# Allegro board MB1219_REVB_160112.brd
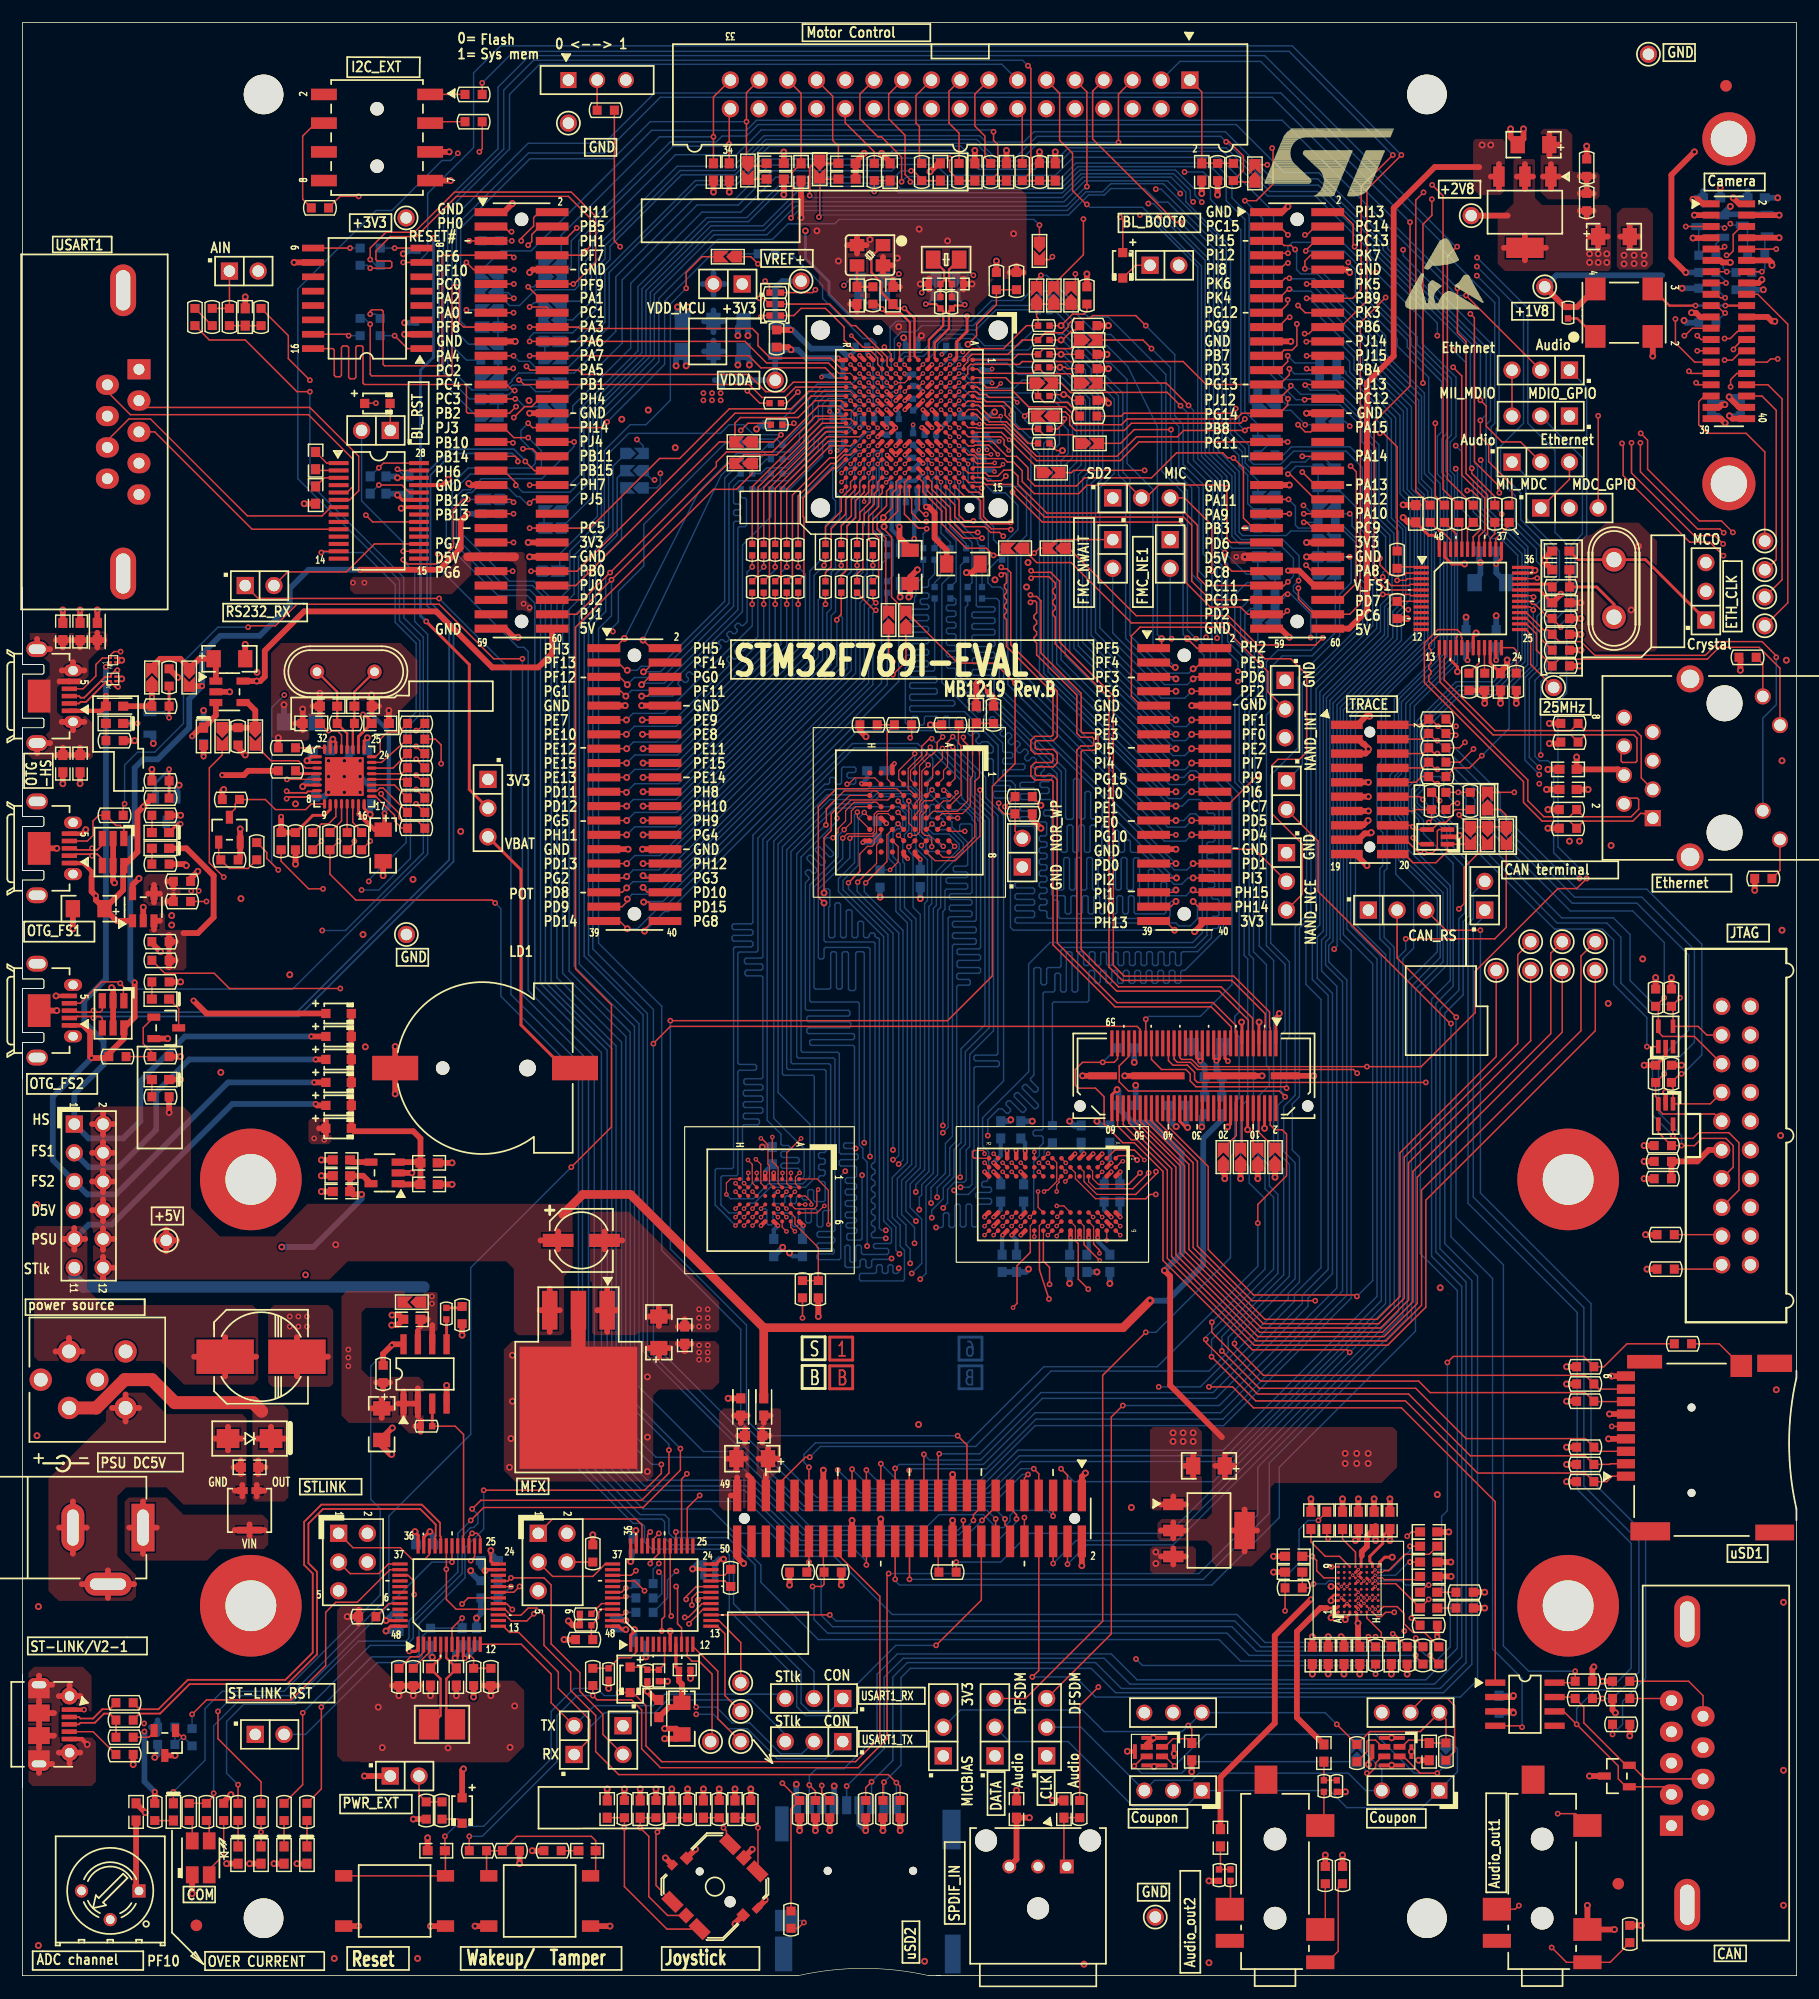
[diagram p0: board, top side]
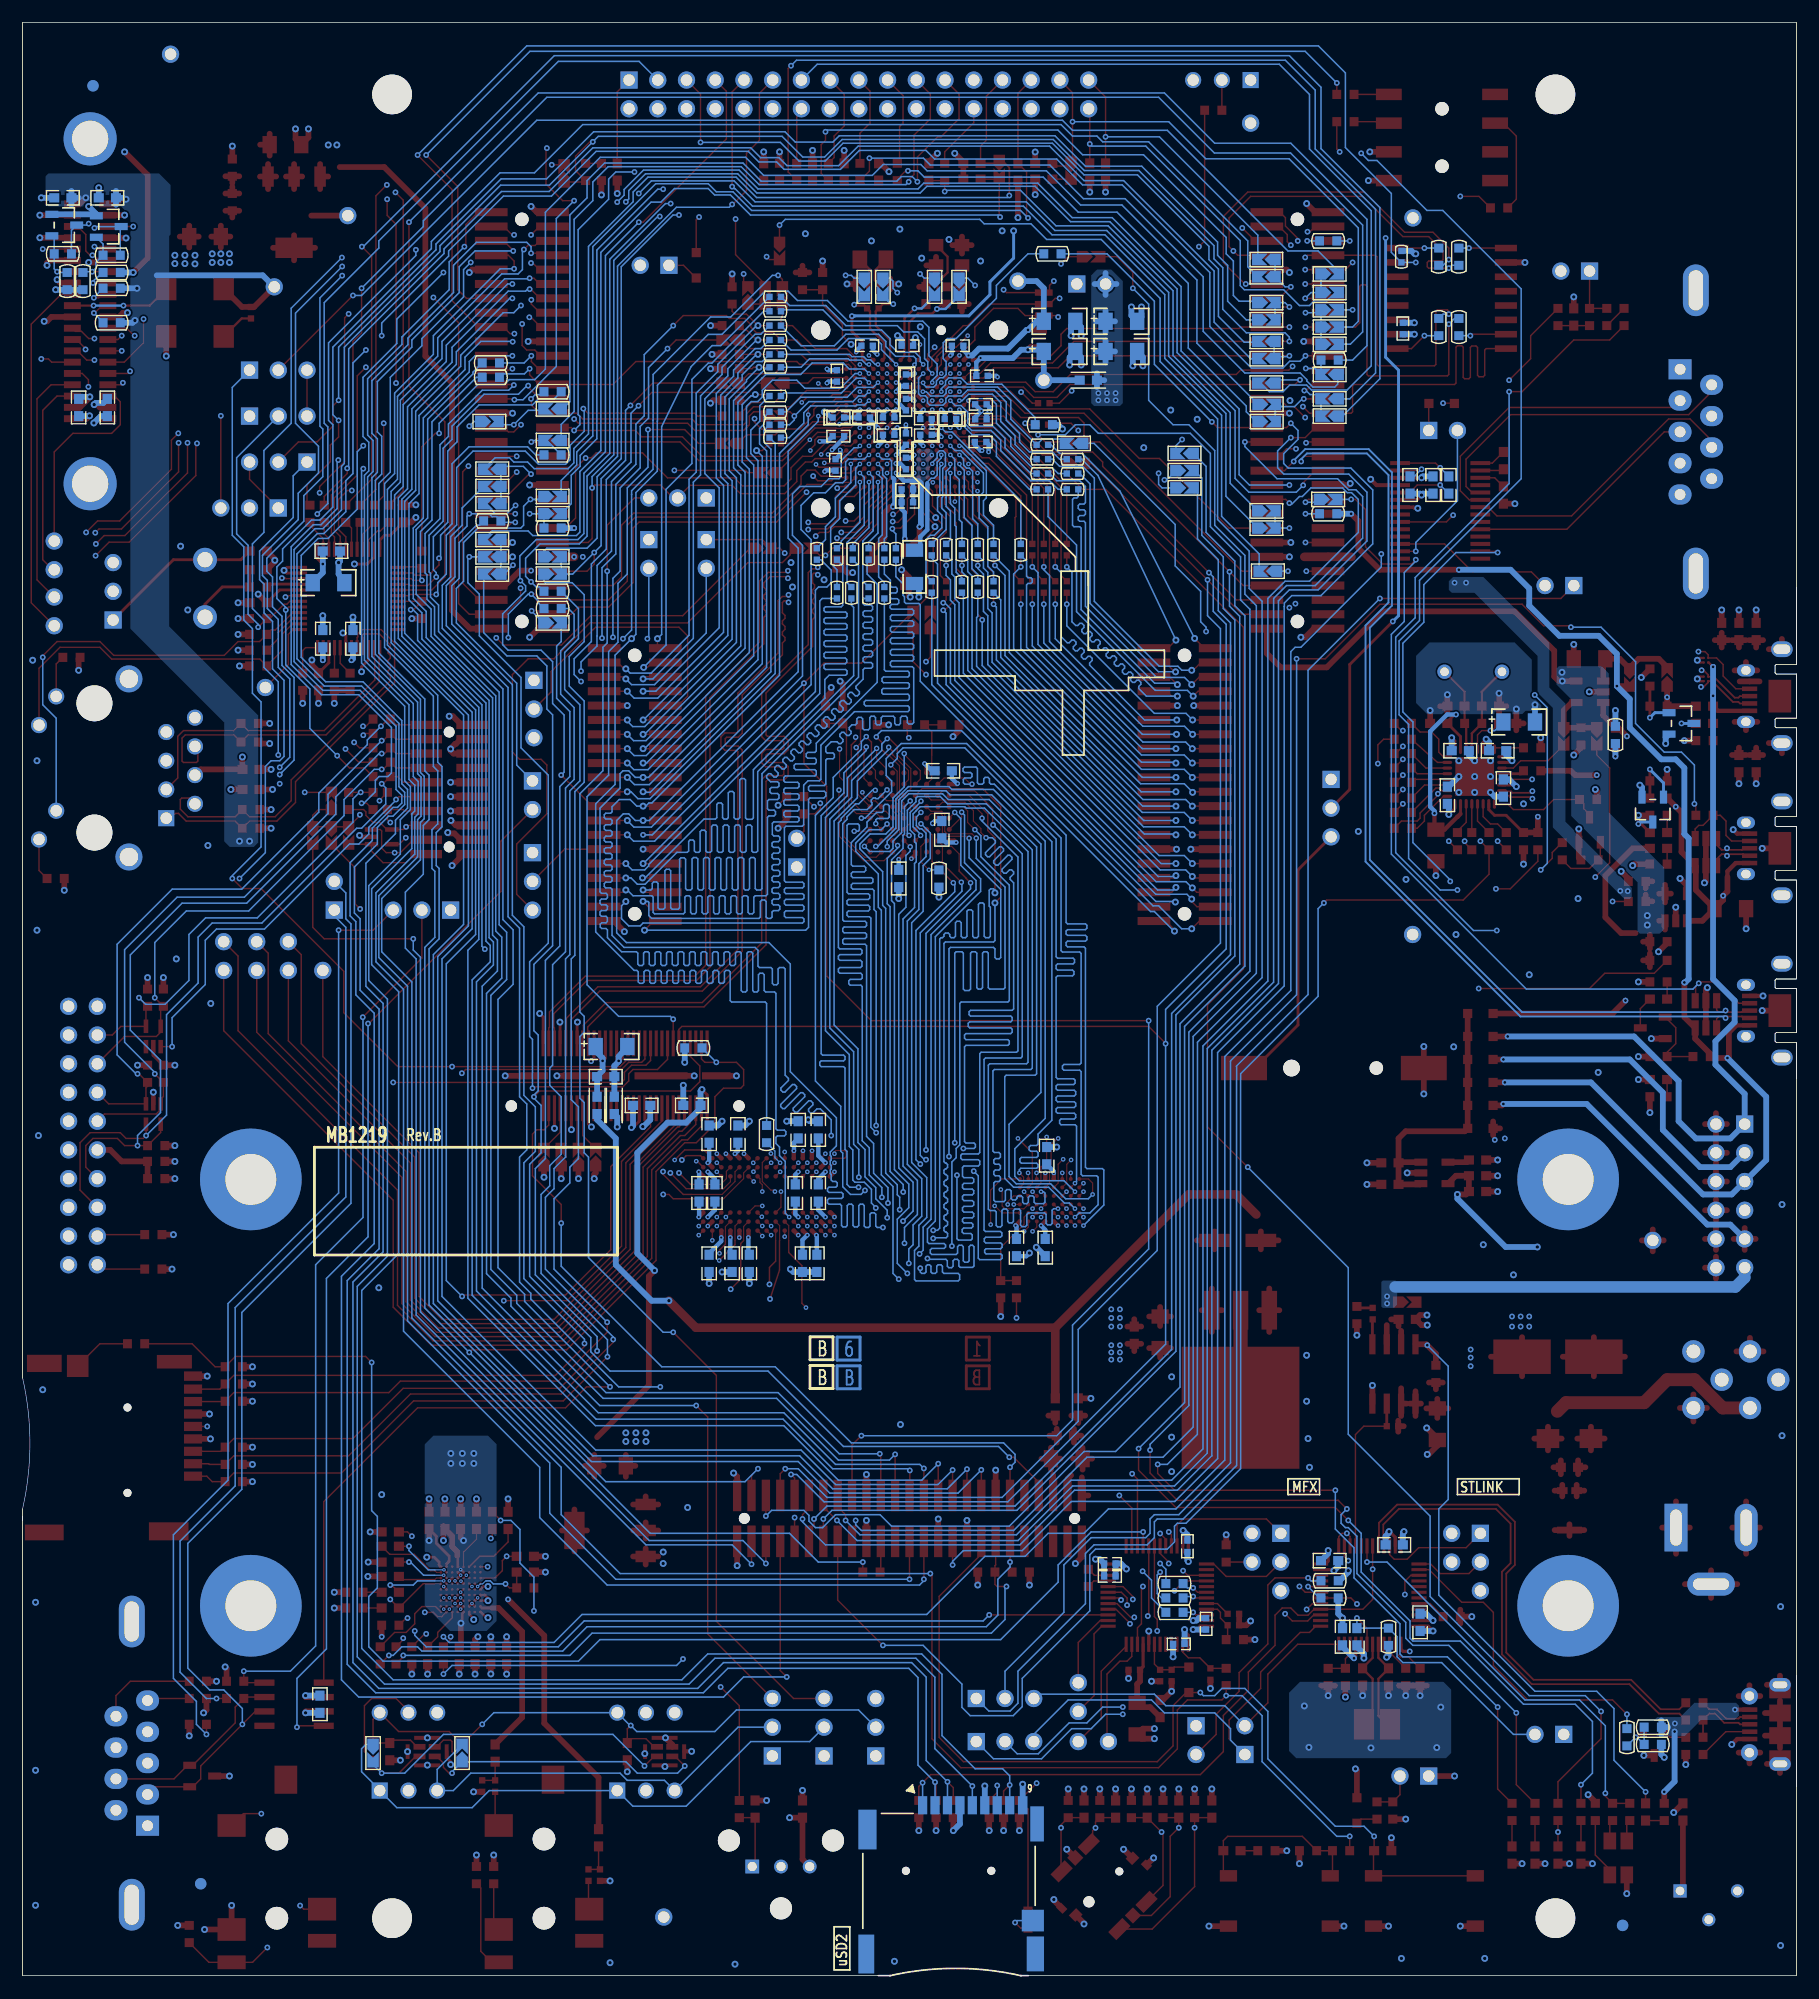
[diagram p1: board, bottom side, seen from below]

Outline 156.84 x 172.72 mm; copper layers: TOP, L2_GND, L3_VCC, L4_SIG, L5_GND, BOTTOM. Coordinates in mm from the lower left corner of the outline.
Outline path: 0,172.72 0,115.96 ; 0,172.72 156.84,172.72 ; 0,172.72 0,115.96 ; 0,172.72 156.84,172.72 ; 0,115.96 1.79,115.96 ; 0,115.96 1.79,115.96 ; 156.84,172.72 156.84,52.86 ; 156.84,172.72 156.84,52.86 ; 1.79,115.96 1.89,115.86 ; 1.79,115.96 1.89,115.86 ; 0,115.14 0,111.25 ; 0,115.11 0,111.21 ; 0,115.11 1.79,115.11 ; 0,115.11 0,111.21 ; 0,115.11 1.79,115.11 ; 0,111.21 1.79,111.21 ; 0,111.21 1.79,111.21 ; 1.79,115.11 1.89,115.21 ; 1.79,115.11 1.89,115.21 ; 1.79,111.21 1.89,111.11 ; 1.79,111.21 1.89,111.11 ; 0,110.36 0,102.87 ; 0,110.36 0,107.19 ; 0,110.36 1.79,110.36 ; 0,110.36 0,107.19 ; 0,110.36 1.79,110.36 ; 0,107.19 0,109.35 ; 0,107.19 0,109.35 ; 1.79,110.36 1.89,110.46 ; 1.79,110.36 1.89,110.46 ; 0,109.35 0,102.5 ; 0,109.35 0,102.5 ; 0,102.5 1.79,102.5 ; 0,102.5 1.79,102.5 ; 1.79,102.5 1.89,102.4 ; 1.79,102.5 1.89,102.4 ; 0,101.64 0,97.75 ; 0,101.64 1.79,101.64 ; 0,101.64 0,97.75 ; 0,101.64 1.79,101.64 ; 0,97.75 1.79,97.75 ; 0,97.75 1.79,97.75 ; 1.79,101.64 1.89,101.75 ; 1.79,101.64 1.89,101.75 ; 1.79,97.75 1.89,97.64 ; 1.79,97.75 1.89,97.64 ; 0,96.89 0,93.73 ; 0,96.89 1.79,96.89 ; 0,96.89 0,93.73 ; 0,96.89 1.79,96.89 ; 0,93.73 0,95 ; 0,93.73 0,95 ; 1.79,96.89 1.89,96.99 ; 1.79,96.89 1.89,96.99 ; 0,95 0,88.14 ; 0,95 0,88.14 ; 0,88.14 1.79,88.14 ; 0,88.14 1.79,88.14 ; 1.79,88.14 1.89,88.04 ; 1.79,88.14 1.89,88.04 ; 0,87.29 0,83.39 ; 0,87.29 1.79,87.29 ; 0,87.29 0,83.39 ; 0,87.29 1.79,87.29 ; 0,83.39 1.79,83.39 ; 0,83.39 1.79,83.39 ; 1.79,87.29 1.89,87.39 ; 1.79,87.29 1.89,87.39 ; 1.79,83.39 1.89,83.29 ; 1.79,83.39 1.89,83.29 ; 0,82.54 0,79.38 ; 0,82.54 1.79,82.54 ; 0,82.54 0,79.38 ; 0,82.54 1.79,82.54 ; 0,79.38 0,81.53 ; 0,79.38 0,81.53 ; 1.79,82.54 1.89,82.64 ; 1.79,82.54 1.89,82.64 ; 0,81.53 0,0 ; 0,81.53 0,0 ; 0,0 67.94,0 ; 0,0 67.94,0 ; 67.94,0 68.58,0 ; 67.94,0 68.58,0 ; 1.89,115.86 1.89,115.21 ; 1.89,115.86 1.89,115.21 ; 1.89,111.11 1.89,110.46 ; 1.89,111.11 1.89,110.46 ; 1.89,102.4 1.89,101.75 ; 1.89,102.4 1.89,101.75 ; 1.89,97.64 1.89,96.99 ; 1.89,97.64 1.89,96.99 ; 1.89,88.04 1.89,87.39 ; 1.89,88.04 1.89,87.39 ; 1.89,83.29 1.89,82.64 ; 1.89,83.29 1.89,82.64 ; 68.58,0 arc(74.36,0.64) 80.14,0 ; 80.14,0 81.15,0 ; 80.14,0 81.15,0 ; 81.15,0 80.77,0 ; 80.77,0 156.84,0 ; 80.77,0 156.84,0 ; 156.84,0 156.84,40.59 ; 156.84,0 156.84,40.59 ; 156.84,52.86 arc(156.2,47.08) 156.84,41.3 ; 156.84,41.3 156.84,40.28 ; 156.84,41.3 156.84,40.28 ; 156.84,40.28 156.84,40.59 ; 156.84,40.28 156.84,40.59

## Design rules (mm)
net group A0: nets A0 NETR247_1
net group A1: nets A1 NETR244_1
net group A2: nets A2 NETR243_1
net group A3: nets A3 NETR240_1
net group A4: nets A4 NETR238_1
net group A5: nets A5 NETR237_1
net group A6: nets A6 NETR259_1
net group A7: nets A7 NETR257_1
net group A8: nets A8 NETR260_1
net group A9: nets A9 NETR271_1
net group A10: nets A10 NETR262_1
net group A11: nets A11 NETR261_1
net group A12: nets A12 NETR279_1
net group A13: nets A13 NETR267_1
net group A14: nets A14 NETR280_1
net group A15: nets A15 NETR269_1
net group A16: nets A16 NETR270_2
net group A17: nets A17 NETR281_1
net group A18: nets A18 NETR268_1
net group A19: nets A19 NETR37_1
net group A20: nets A20 NETR35_1
net group A21: nets A21 NETR31_1
net group A22: nets A22 NETR34_1
net group BOOT0: nets BOOT0 NETR4_2
net group CEC: nets CEC PB6
net group D0: nets D0 NETR278_1
net group D1: nets D1 NETR266_1
net group D2: nets D2 NETR272_1
net group D3: nets D3 NETR283_1
net group D4: nets D4 NETR62_1
net group D5: nets D5 NETR54_1
net group D6: nets D6 NETR53_1
net group D7: nets D7 NETR63_1
net group D8: nets D8 NETR55_1
net group D9: nets D9 NETR64_1
net group D10: nets D10 NETR66_1
net group D11: nets D11 NETR56_1
net group D12: nets D12 NETR65_1
net group D13: nets D13 NETR60_1
net group D14: nets D14 NETR69_1
net group D15: nets D15 NETR70_1
net group D16: nets D16 NETR57_2
net group D17: nets D17 NETR58_2
net group D18: nets D18 NETR67_2
net group D19: nets D19 NETR68_2
net group D20: nets D20 NETR59_2
net group D21: nets D21 NETR276_2
net group D22: nets D22 NETR286_2
net group D23: nets D23 NETR285_2
net group D24: nets D24 NETR275_2
net group D25: nets D25 NETR274_2
net group D26: nets D26 NETR273_2
net group D27: nets D27 NETR284_2
net group D28: nets D28 NETR254_2
net group D29: nets D29 NETR250_2
net group D30: nets D30 NETR251_2
net group D31: nets D31 NETR252_2
net group DIFFPAIR1: nets NETCN9_2 NETCN9_3
net group DSI_CK: nets DSI_CK_N DSI_CK_P
net group DSI_D0: nets DSI_D0_N DSI_D0_P
net group DSI_D1: nets DSI_D1_N DSI_D1_P
net group LCD_G2: nets LCD_G2 NETC16_2
net group LCD_G3: nets LCD_G3 NETCN17_8
net group LCD_G6: nets LCD_G6 NETR122_1
net group NETC11_1: nets NETC11_1 NETCN1_26
net group NETC12_2: nets NETC12_2 NETCN1_19
net group NETC13_2: nets NETC13_2 NETCN1_17
net group NETC14_2: nets NETC14_2 NETCN1_15
net group NETC15_1: nets NETC15_1 NETCN1_14
net group NETC20_1: nets NETC20_1 PC15
net group NETC21_1: nets NETC21_1 PC14
net group NETC22_1: nets NETC22_1 PH1
net group NETC25_1: nets NETC25_1 NETC25_2
net group NETC31_2: nets NETC31_2 NETR71_1
net group NETC37_1: nets NETC37_1 NETC38_1
net group NETC70_1: nets NETC70_1 NETC70_2
net group NETC75_1: nets NETC75_1 NETC75_2
net group NETC76_1: nets NETC76_1 NETC76_2
net group NETC96_1: nets NETC96_1 PG12
net group NETC133_1: nets NETC133_1 NETC133_2
net group NETC149_1: nets NETC149_1 NETC149_2
net group NETCN12_2: nets NETCN12_2 PA13
net group NETCN12_4: nets NETCN12_4 PA14
net group NETCN12_8: nets NETCN12_8 PA15
net group NETCN13_4: nets NETCN13_4 PA10
net group NETCN17_2: nets NETCN17_2 PAR_D4
net group NETCN17_10: nets NETCN17_10 NETR150_1
net group NETCN18_22: nets NETCN18_22 PK7
net group NETCN22_2: nets NETCN22_2 STL_USB_DM
net group NETCN22_3: nets NETCN22_3 STL_USB_DP
net group NETCN26_7: nets NETCN26_7 NETJP18_1
net group NETCN30_10: nets NETCN30_10 NETR200_1
net group NETD16_2: nets NETD16_2 NETJP27_2
net group NETJP10_2: nets NETJP10_2 NETR88_1
net group NETJP24_3: nets NETJP24_3 PAR_D5
net group NETLD1_2: nets NETLD1_2 NETR216_1
net group NETLD2_2: nets NETLD2_2 NETR215_1
net group NETLD3_2: nets NETLD3_2 NETR214_1
net group NETLD4_2: nets NETLD4_2 NETR213_1
net group NETLD6_2: nets NETLD6_2 NETR119_1
net group NETR43_1: nets NETR43_1 PB2
net group NETR45_1: nets NETR45_1 PG15
net group NETR46_1: nets NETR46_1 PH7
net group NETR47_1: nets NETR47_1 NETR47_2
net group NETR48_1: nets NETR48_1 NETR48_2
net group NETR49_1: nets NETR49_1 NETR49_2
net group NETR50_1: nets NETR50_1 NETR50_2
net group NETR51_1: nets NETR51_1 NETR51_2
net group NETR52_1: nets NETR52_1 PF11
net group NETR61_1: nets NETR61_1 NETR61_2
net group NETR86_1: nets NETR86_1 PA3
net group NETR93_1: nets NETR93_1 PB0
net group NETR98_1: nets NETR98_1 PB1
net group NETR100_1: nets NETR100_1 PB10
net group NETR104_1: nets NETR104_1 PB11
net group NETR105_1: nets NETR105_1 PD5
net group NETR107_1: nets NETR107_1 PB12
net group NETR117_1: nets NETR117_1 PB5
net group NETR121_1: nets NETR121_1 PH4
net group NETR123_1: nets NETR123_1 PC0
net group NETR124_1: nets NETR124_1 PA5
net group NETR148_1: nets NETR148_1 NETR148_2
net group NETR172_1: nets NETR172_1 PG9
net group NETR228_2: nets NETR228_2 PI14
net group NETR245_2: nets NETR245_2 PC2
net group NETR248_2: nets NETR248_2 PG13
net group NETR249_2: nets NETR249_2 PG14
net group NETR255_2: nets NETR255_2 PH3
net group NETR256_2: nets NETR256_2 PG11
net group NETR258_2: nets NETR258_2 PH5
net group NETR277_1: nets NETR277_1 PG8
net group NETR291_1: nets NETR291_1 PH2
net group NETR296_2: nets NETR296_2 PI8
net group VDDA: nets VDDA VREF+
net group +1V8: nets NETR25_1
net group +2V8: nets I2C1_SCL_C I2C1_SDA_C NETCN2_3 NETR175_2 NETR293_2 PB8
net group +3V3_ST_LINK: nets +3V3_ST_LINK NETLD12_4 STM_RST
net group +5V: nets NETLD10_1
net group A23: nets A23 NETR39_1 NETR42_1
net group DATA: nets PE0 PE1 PI4 PI5
net group LCD_R7: nets LCD_R7 NETR146_1 NETR146_2
net group LED_STLINK: nets LED_STLINK NETLD12_2 NETLD12_3
net group MIC_VDD: nets MIC_VDD NETCN25_5 NETR192_1
net group NETB2_2: nets NETB2_2 NETR176_2 PC13
net group NETC24_2: nets NETC24_2 NETCN3_1 NETR27_1 NETR27_2 PF10
net group NETC64_1: nets NETC64_1 NETC64_2 NETC73_2
net group NETC89_1: nets NETC89_1 NETC89_2 NETCN27_6
net group NETC98_1: nets NETC98_1 NETC98_2 NETCN27_4
net group NETCN2_1: nets NETCN2_1 NETR174_2 NETR294_2 PB9
net group NETCN12_10: nets NETCN5_5 NETCN12_10 NETR125_1 RESET#
net group NETCN12_14: nets NETCN12_6 NETCN12_14 PB3
net group NETCN12_16: nets NETCN12_16 NETCN16_3 T_JRST
net group NETCN17_1: nets NETCN2_4 NETCN17_1 PAR_D8
net group NETL2_1: nets NETL2_1 NETR78_2 NETR101_1
net group NETLD8_2: nets NETR132_1
net group NETLD11_1: nets NETLD11_1 NETLD11_2 NETR298_1 PWR_ENN USB_RENUMN VUSB_ST_LINK
net group NETR19_1: nets NETR19_1 NETR232_2 PF7
net group NETR103_2: nets NETR103_2 PA9 VBUS_FS1
net group NETR113_1: nets NETR113_1 NETR136_2 PB13 VBUS_FS2
net group NETR129_2: nets NETR130_2
net group NETR231_1: nets NETR26_1 NETR231_1 PF9
net group NETR241_1: nets NETR24_1 NETR241_1 PF6
net group NETR242_2: nets NETR41_1 NETR242_2 PF8

## Placement (name value [footprint] x y rotation side)
B1  TD-0341 [RESET_Black]  [PB10]  32.89 6.6 0 top
B2  WKUP_TAMPER  [PB10]  45.72 6.6 0 top
B3  EVQQ7  [SW-JOY]  61.21 7.87 45 top
BT1  CR1220 holder  [BAT_2SM_CR1220]  40.89 80.26 180 top
C5  10uF  [TAN-A]  133.6 161.93 0 top
C6  [N_A]  [0603C]  66.55 160.27 180 top
C7  [N_A]  [0603C]  72.9 160.27 180 top
C8  [N_A]  [0603C]  61.09 159.51 90 top
C9  [N_A]  [0603C]  62.48 159.51 90 top
C10  [N_A]  [0603C]  68.83 159.51 90 top
C11  100nF  [0603C]  76.71 159.51 90 top
C12  [N_A]  [0603C]  81.15 159.51 270 top
C13  [N_A]  [0603C]  84.2 159.51 270 top
C14  [N_A]  [0603C]  87 159.51 270 top
C15  100nF  [0603C]  91.31 159.51 90 top
C16  1nF  [0603C]  104.27 159.51 90 top
C17  10nF  [0603C]  66.55 158.88 0 top
C18  [N_A]  [0603C]  72.9 158.88 180 top
C19  10uF  [TAN-A]  140.72 153.8 180 top
C20  1.5pF  [0402C]  80.64 149.61 180 top
C21  1.5pF  [0402C]  82.68 149.61 0 top
C22  5.6pF  [0603C]  73.79 148.59 270 top
C23  5.6pF  [0603C]  76.96 148.59 90 top
C24  [N_A]  [0603C]  19.68 146.69 270 top
C25  100nF  [0603C]  25.91 133.99 270 top
C26  100nF  [0603C]  25.91 130.94 90 top
C27  100nF  [0603C]  123.19 129.29 90 top
C28  22pF  [0603C]  136.02 125.98 180 top
C29  2.2uF  [1206C]  83.19 124.84 0 top
C30  2.2uF[N_A]  [1206C]  78.49 124.59 270 top
C31  22pF  [0603C]  136.02 124.33 0 top
C32  100nF  [0603C]  136.02 121.41 180 top
C33  100nF  [0603C]  3.56 118.87 90 top
C34  100nF  [0603C]  5.08 118.87 90 top
C35  4.7uF  [TAN-A]  18.29 116.46 180 top
C36  100nF  [0603C]  130.68 114.43 90 top
C37  33pF  [0603C]  27.05 112.27 180 top
C38  33pF  [0603C]  30.1 112.27 0 top
C39  100nF  [0603C]  84.33 111.51 90 top
C40  100nF  [0603C]  25.53 110.74 180 top
C41  100nF  [0603C]  31.62 110.74 0 top
C42  100nF  [0603C]  3.56 107.19 270 top
C43  100nF  [0603C]  5.08 107.19 270 top
C44  100nF  [0603C]  136.65 106.68 0 top
C45  100nF  [0603C]  136.65 104.9 0 top
C46  4.7uF  [TAN-A]  31.88 99.95 90 top
C47  4.7uF  [TAN-A]  5.84 94.36 0 top
C48  10nF_X7R_0603  [0603C]  28.19 72.14 0 top
C49  1uF_X5R_0603  [0603C]  35.94 71.88 180 top
C50  100nF  [0603C]  28.19 70.74 0 top
C51  100nF  [0603C]  35.94 69.98 180 top
C52  1uF_X5R_0603  [0603C]  28.19 69.34 180 top
C53  47uF  [CAE_5R3X5R3_H5R4]  49.4 65.02 0 top
C54  100nF  [0603C]  34.42 58.04 0 top
C55  10uF  [TAN-A]  56.26 56.9 270 top
C56  100nF  [0603C]  58.55 56.64 90 top
C57  220uF  [C310M-6]  21.08 54.74 180 top
C58  4.7uF  [TAN-A]  31.75 48.77 90 top
C59  100nF  [0603C]  64.64 47.75 180 top
C60  10uF  [TAN-A]  64.52 45.72 0 top
C61  10uF  [TAN-A]  104.9 45.09 0 top
C62  100nF  [0603C]  20.07 44.96 180 top
C63  4.7uF  [0603C]  113.92 40.26 270 top
C64  1uF  [0603C]  115.32 40.26 90 top
C65  4.7uF  [0603C]  116.71 40.26 90 top
C66  4.7uF  [0603C]  118.11 40.26 90 top
C67  1uF  [0603C]  119.51 40.26 90 top
C68  100nF  [0603C]  120.9 40.26 90 top
C69  1uF  [0603C]  124.33 39.24 0 top
C70  2.2uF  [0603C]  124.33 37.97 180 top
C71  4.7uF  [0603C]  112.39 37.08 0 top
C72  2.2uF  [0603C]  124.33 36.58 0 top
C73  4.7uF  [0603C]  112.39 35.69 0 top
C74  2.2uF  [0603C]  124.33 35.31 0 top
C75  100nF  [0603C]  124.33 33.91 0 top
C76  100nF  [0603C]  124.33 32.51 0 top
C77  100nF  [0603C]  114.05 28.32 270 top
C78  100nF  [0603C]  115.44 28.32 270 top
C79  4.7uF  [0603C]  116.84 28.32 270 top
C80  100nF  [0603C]  118.24 28.32 270 top
C81  1uF  [0603C]  121.03 28.32 270 top
C82  100nF  [0402C]  58.55 27.05 180 top
C83  100nF[N_A]  [0402C]  56.26 26.54 90 top
C84  10pF  [0603C]  36.07 26.42 270 top
C85  10pF  [0603C]  38.35 26.42 270 top
C86  1uF  [TAN-A]  58.29 22.73 90 top
C87  100nF  [0603C]  103.38 19.81 270 top
C88  100nF  [0603C]  124.38 19.81 270 top
C89  4.7uF  [0603C]  115.06 19.68 90 top
C90  10nF[N_A]  [0603C]  51.69 14.73 270 top
C91  10nF[N_A]  [0603C]  54.61 14.73 270 top
C92  10nF[N_A]  [0603C]  57.4 14.73 270 top
C93  10nF[N_A]  [0603C]  60.2 14.73 270 top
C94  10nF[N_A]  [0603C]  62.99 14.73 270 top
C95  100nF  [0603C]  87.88 14.73 270 top
C96  30pF  [0603C]  92.08 14.73 90 top
C97  100nF  [0603C]  10.03 14.48 90 top
C98  4.7uF  [0603C]  105.92 12.19 90 top
C99  100nF  [0603C]  36.58 11.05 0 top
C100  [N_A]  [0603C]  49.91 11.05 0 top
C101  100nF  [0603C]  153.29 157.23 0 bottom
C102  100nF  [0603C]  149.35 157.23 180 bottom
C103  1uF  [TAN-A]  65.15 146.3 0 bottom
C104  4.7uF  [TAN-A]  59.69 146.3 0 bottom
C105  100nF  [0402C]  34.8 145.67 90 bottom
C106  100nF  [0402C]  82.17 144.15 0 bottom
C107  100nF  [0402C]  78.61 144.15 0 bottom
C108  100nF  [0402C]  74.17 144.15 180 bottom
C109  1uF  [TAN-A]  65.15 143.64 0 bottom
C110  4.7uF  [TAN-A]  59.69 143.64 0 bottom
C111  100nF  [0402C]  84.84 141.48 90 bottom
C112  100nF  [0402C]  72.01 141.48 0 bottom
C113  100nF  [0402C]  78.74 141.1 90 bottom
C114  100nF  [0402C]  72.11 138.96 180 bottom
C115  100nF  [0402C]  78.74 138.94 270 bottom
C116  100nF  [0603C]  151.89 138.68 90 bottom
C117  100nF  [0603C]  149.35 138.68 90 bottom
C118  100nF  [0402C]  84.71 137.79 180 bottom
C119  100nF  [0402C]  82.42 137.79 0 bottom
C120  100nF  [0402C]  80.26 137.79 180 bottom
C121  100nF  [0402C]  76.96 137.67 0 bottom
C122  100nF  [0402C]  74.8 137.67 180 bottom
C123  100nF  [0402C]  72.11 137.64 180 bottom
C124  100nF  [0402C]  80.26 136.27 180 bottom
C125  100nF  [0402C]  76.96 136.27 0 bottom
C126  100nF  [0402C]  84.71 136.14 180 bottom
C127  100nF  [0402C]  78.74 135.89 90 bottom
C128  100nF  [0402C]  72.14 135.64 180 bottom
C129  100nF  [0402C]  84.96 133.6 270 bottom
C130  100nF  [0402C]  78.74 133.73 270 bottom
C131  100nF  [0603C]  34.16 131.83 90 bottom
C132  100nF  [0603C]  32.13 131.83 270 bottom
C133  100nF  [0603C]  30.73 131.83 90 bottom
C134  100nF  [0402C]  78.61 131.44 0 bottom
C135  2.2uF  [0402C]  78.61 130.3 0 bottom
C136  100nF  [0603C]  129.54 125.98 0 bottom
C137  2.2uF  [1206C]  77.98 124.59 270 bottom
C138  10uF  [TAN-A]  129.79 123.19 0 bottom
C139  100nF  [0603C]  130.3 118.24 90 bottom
C140  100nF  [0603C]  127.64 118.24 270 bottom
C141  4.7uF  [TAN-A]  24.51 110.87 0 bottom
C142  100nF  [0603C]  29.72 108.33 180 bottom
C143  100nF  [0603C]  26.42 108.33 180 bottom
C144  100nF  [0603C]  75.44 106.55 180 bottom
C145  100nF  [0603C]  25.91 105.03 270 bottom
C146  100nF  [0603C]  30.86 104.39 90 bottom
C147  100nF  [0603C]  75.56 101.35 270 bottom
C148  100nF  [0603C]  79.38 97.03 270 bottom
C149  10uF  [TAN-A]  104.78 82.17 0 bottom
C150  100nF  [0603C]  105.28 79.5 180 bottom
C151  100nF  [0603C]  102.11 76.96 180 bottom
C152  100nF  [0603C]  97.66 76.96 0 bottom
C153  100nF  [0603C]  88.27 74.8 90 bottom
C154  100nF  [0603C]  86.49 74.8 90 bottom
C155  100nF  [0603C]  96.14 74.42 90 bottom
C156  100nF  [0603C]  93.6 74.42 90 bottom
C157  100nF  [0603C]  66.29 72.52 90 bottom
C158  100nF  [0603C]  97.03 69.22 90 bottom
C159  100nF  [0603C]  95.63 69.22 90 bottom
C160  100nF  [0603C]  88.52 69.22 90 bottom
C161  100nF  [0603C]  86.49 69.22 90 bottom
C162  100nF  [0603C]  68.96 64.39 270 bottom
C163  100nF  [0603C]  66.42 64.39 270 bottom
C164  100nF  [0603C]  96.14 62.99 270 bottom
C165  100nF  [0603C]  94.11 62.99 270 bottom
C166  100nF  [0603C]  92.58 62.99 270 bottom
C167  100nF  [0603C]  87.88 62.99 270 bottom
C168  100nF  [0603C]  86.61 62.99 270 bottom
C169  100nF  [0603C]  35.56 38.1 180 bottom
C170  100nF  [0402C]  53.85 37.97 270 bottom
C171  100nF  [0603C]  41.27 36.7 0 bottom
C172  100nF  [0402C]  60.71 36.45 180 bottom
C173  100nF  [0402C]  60.71 35.31 0 bottom
C174  100nF  [0603C]  33.27 31.24 270 bottom
C175  100nF  [0402C]  52.2 31.11 270 bottom
C176  100nF  [0603C]  40.13 29.97 270 bottom
C177  100nF  [0603C]  38.86 29.97 90 bottom
C178  100nF  [0402C]  54.61 29.34 180 bottom
C179  100nF  [0603C]  130.56 24 90 bottom
CN1  MC_connector  [IDC34S]  103.22 167.64 270 top
CN2  F206A-2_04MGF-A  [SSM-104-L-DH]  31.34 162.56 90 top
CN3  -  [SIP2]  18.29 150.75 0 top
CN4  F1000-2_20MGF-L0A  [CLM-120-02-L-D]  150.88 147.19 270 top
CN5  P1039-2_30MGF-089-1A  [FTR-130-53-L-D-LC]  44.12 137.54 270 top
CN6  P1039-2_30MGF-089-1A  [FTR-130-53-L-D-LC]  112.7 137.54 270 top
CN7  DB9-male USART1  [DB9_M]  10.29 136.53 90 top
CN8  475900001  [MOLEX_47590001]  4.14 113.16 270 top
CN9  J0011D21B  [RJ45_J0011D01BNL]  144.15 102.36 270 top
CN10  P1039-2_20MGF-089-1A  [FTR-120-53-L-D-LC]  54.1 105.33 270 top
CN11  P1039-2_20MGF-089-1A  [FTR-120-53-L-D-LC]  102.72 105.33 270 top
CN12  P127B-2_10MGF-079-1E7A  [FTSH-110-01-L-DV]  119.13 104.9 270 top
CN13  475900001  [MOLEX_47590001]  4.14 99.69 270 top
CN14  475900001  [MOLEX_47590001]  4.14 85.34 270 top
CN15  -  [QSH-030-01-F-D-A]  103.57 79.58 180 top
CN16  JTAG  [IDC20S]  150.24 85.72 0 top
CN17  PJS008-2000  [MSD_PJS008_]  147.57 42.7 90 top
CN18  P127B-2_25MGF-079-1A  [FTSH-125-01-F-DV]  78.42 40.44 180 top
CN19  DC-10B  [PWR_JACK_DC10]  10.64 39.62 0 top
CN20  [N_A]  [HDR_2X3-1_2R54-6]  27.94 39.12 270 top
CN21  [N_A]  [HDR_2X3-1_2R54-6]  45.59 39.12 270 top
CN22  1050170001  [MICRO_USB_B_105017]  4.05 22.23 270 top
CN23  -  [SIP2]  48.77 19.56 90 top
CN24  Coupon Connectors  [COUPON]  101.73 19.81 90 top
CN25  Coupon Connectors  [COUPON]  122.73 19.81 90 top
CN26  DB9-male CAN connector  [DB9_M]  145.8 18.8 270 top
CN27  PJ3028B-3  [PJ3028B]  110.74 5.08 90 top
CN28  PJ3028B-3  [PJ3028B]  134.37 5.08 90 top
CN29  DLR11H0  [CONN_DLR11H0]  92.33 9.65 0 top
CN30  PJS008-2000  [MSD_PJS008_]  78.74 9.27 180 bottom
D1  BAT60JFILM  [SOD-323]  97.28 151.26 270 top
D2  BAT60JFILM  [SOD-323]  31.37 139.04 0 top
D3  ESDA14V2-2BF3  [BGA4_0R4_0R8X0R8]  8 116.33 90 top
D4  USBULC6-2F3  [BGA4_0R4_1X1]  8 114.68 90 top
D5  ESDA6V1BC6  [SOT23-6]  8 99.36 180 top
D6  BAT60JFILM  [SOD-323]  27.94 85.09 0 top
D7  ESDA6V1BC6  [SOT23-6]  8 85.01 180 top
D8  BAT60JFILM  [SOD-323]  27.94 83.06 0 top
D9  BAT60JFILM  [SOD-323]  27.94 81.03 0 top
D10  BAT60JFILM  [SOD-323]  27.94 78.99 0 top
D11  BAT60JFILM  [SOD-323]  27.94 76.96 0 top
D12  BAT60JFILM  [SOD-323]  27.94 74.93 0 top